# KiCad board keyboard - Hackpadv2.kicad_pcb
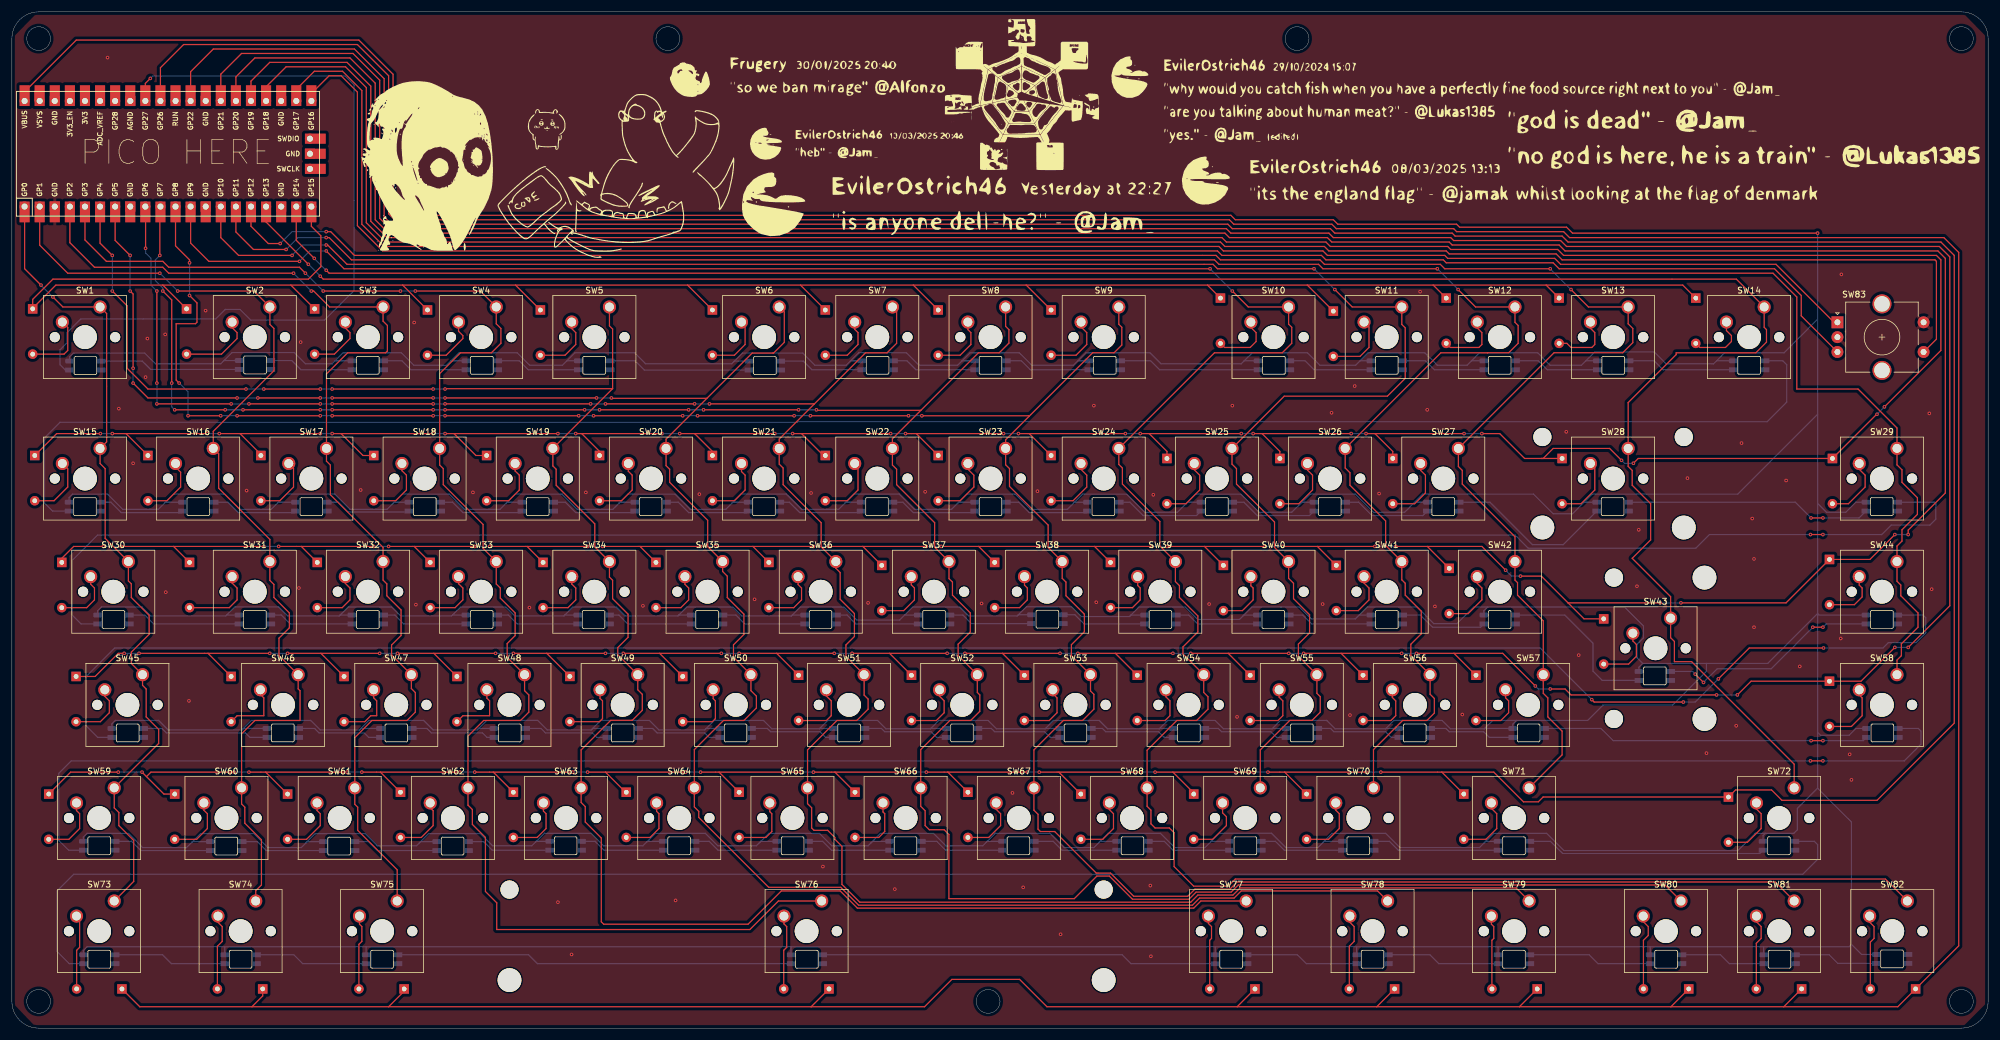
[diagram p0: board, top side]
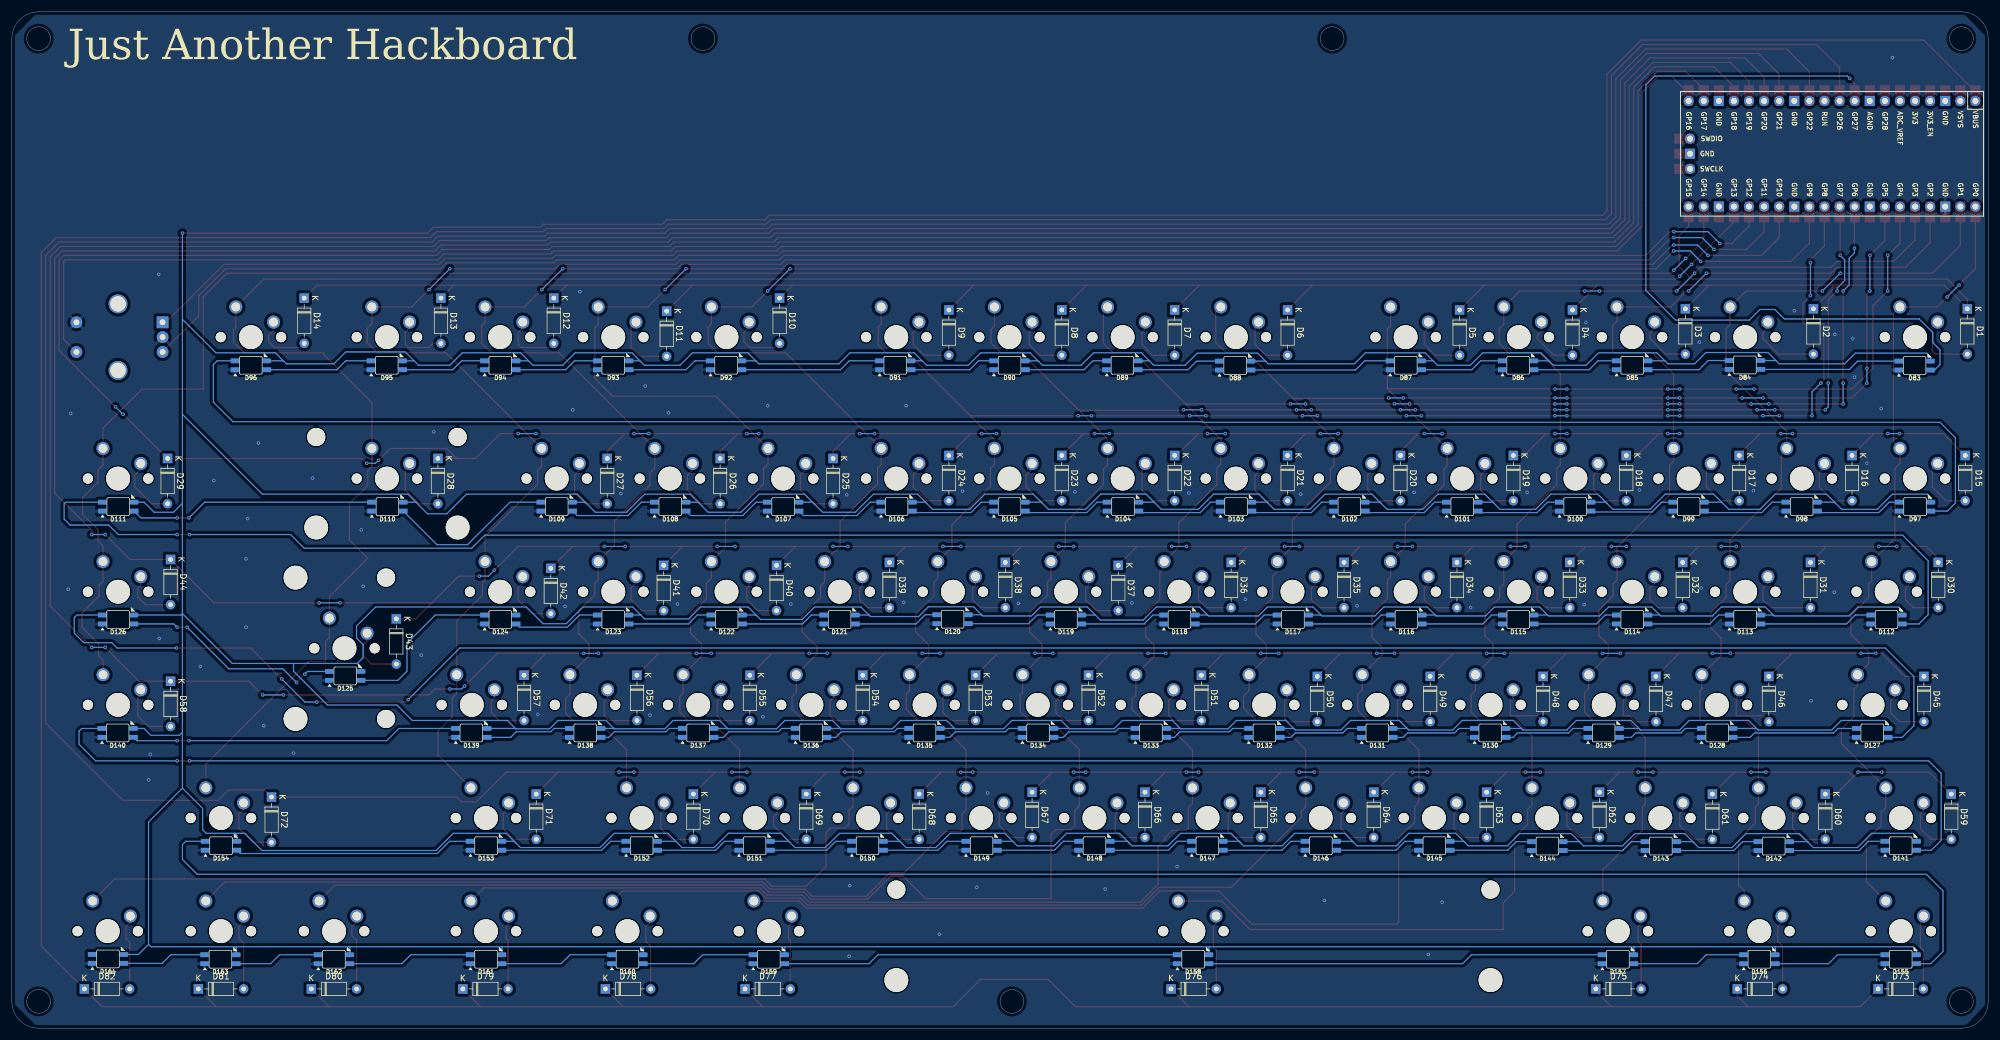
[diagram p1: board, bottom side, seen from below]

Outline 332.6 x 171.1 mm; copper layers: Top, Bottom. Coordinates in mm from the lower left corner of the outline.
Outline path: circle c4.5,166.6 r2 ; circle c4.5,4.5 r2 ; circle c110.4,166.6 r2 ; circle c164.3,4.5 r2 ; circle c216.3,166.6 r2 ; circle c328.1,166.6 r2 ; circle c328.1,4.5 r2 ; 0,166.6 0,4.5 arc(1.32,1.32) 4.5,0 328.02,0 arc(331.25,1.29) 332.6,4.5 332.6,166.6 arc(331.28,169.78) 328.1,171.1 4.5,171.1 arc(1.32,169.78) 0,166.6

## Placement (name value [footprint] x y rotation side)
D1  1N4148  [D_DO-35_SOD27_P7.62mm_Horizontal]  3.5 121.1 270 bottom
D2  1N4148  [D_DO-35_SOD27_P7.62mm_Horizontal]  29.4 121.1 270 bottom
D3  1N4148  [D_DO-35_SOD27_P7.62mm_Horizontal]  50.95 121.1 270 bottom
D4  1N4148  [D_DO-35_SOD27_P7.62mm_Horizontal]  69.95 120.91 270 bottom
D5  1N4148  [D_DO-35_SOD27_P7.62mm_Horizontal]  88.95 120.91 270 bottom
D6  1N4148  [D_DO-35_SOD27_P7.62mm_Horizontal]  117.9 120.91 270 bottom
D7  1N4148  [D_DO-35_SOD27_P7.62mm_Horizontal]  136.9 120.91 270 bottom
D8  1N4148  [D_DO-35_SOD27_P7.62mm_Horizontal]  155.9 120.91 270 bottom
D9  1N4148  [D_DO-35_SOD27_P7.62mm_Horizontal]  174.9 120.91 270 bottom
D10  1N4148  [D_DO-35_SOD27_P7.62mm_Horizontal]  203.4 122.91 270 bottom
D11  1N4148  [D_DO-35_SOD27_P7.62mm_Horizontal]  222.4 120.72 270 bottom
D12  1N4148  [D_DO-35_SOD27_P7.62mm_Horizontal]  241.4 122.91 270 bottom
D13  1N4148  [D_DO-35_SOD27_P7.62mm_Horizontal]  260.4 122.91 270 bottom
D14  1N4148  [D_DO-35_SOD27_P7.62mm_Horizontal]  283.4 122.91 270 bottom
D15  1N4148  [D_DO-35_SOD27_P7.62mm_Horizontal]  3.85 96.41 270 bottom
D16  1N4148  [D_DO-35_SOD27_P7.62mm_Horizontal]  22.9 96.41 270 bottom
D17  1N4148  [D_DO-35_SOD27_P7.62mm_Horizontal]  41.9 96.41 270 bottom
D18  1N4148  [D_DO-35_SOD27_P7.62mm_Horizontal]  60.9 96.41 270 bottom
D19  1N4148  [D_DO-35_SOD27_P7.62mm_Horizontal]  79.9 96.41 270 bottom
D20  1N4148  [D_DO-35_SOD27_P7.62mm_Horizontal]  98.9 96.41 270 bottom
D21  1N4148  [D_DO-35_SOD27_P7.62mm_Horizontal]  117.9 96.41 270 bottom
D22  1N4148  [D_DO-35_SOD27_P7.62mm_Horizontal]  136.9 96.41 270 bottom
D23  1N4148  [D_DO-35_SOD27_P7.62mm_Horizontal]  155.9 96.41 270 bottom
D24  1N4148  [D_DO-35_SOD27_P7.62mm_Horizontal]  174.9 96.41 270 bottom
D25  1N4148  [D_DO-35_SOD27_P7.62mm_Horizontal]  194.4 95.91 270 bottom
D26  1N4148  [D_DO-35_SOD27_P7.62mm_Horizontal]  213.4 95.91 270 bottom
D27  1N4148  [D_DO-35_SOD27_P7.62mm_Horizontal]  232.4 95.91 270 bottom
D28  1N4148  [D_DO-35_SOD27_P7.62mm_Horizontal]  260.9 95.91 270 bottom
D29  1N4148  [D_DO-35_SOD27_P7.62mm_Horizontal]  306.4 95.91 270 bottom
D30  1N4148  [D_DO-35_SOD27_P7.62mm_Horizontal]  8.4 78.41 270 bottom
D31  1N4148  [D_DO-35_SOD27_P7.62mm_Horizontal]  29.9 78.41 270 bottom
D32  1N4148  [D_DO-35_SOD27_P7.62mm_Horizontal]  51.4 78.41 270 bottom
D33  1N4148  [D_DO-35_SOD27_P7.62mm_Horizontal]  70.4 78.41 270 bottom
D34  1N4148  [D_DO-35_SOD27_P7.62mm_Horizontal]  89.4 78.41 270 bottom
D35  1N4148  [D_DO-35_SOD27_P7.62mm_Horizontal]  108.4 78.41 270 bottom
D36  1N4148  [D_DO-35_SOD27_P7.62mm_Horizontal]  127.4 78.41 270 bottom
D37  1N4148  [D_DO-35_SOD27_P7.62mm_Horizontal]  146.4 77.91 270 bottom
D38  1N4148  [D_DO-35_SOD27_P7.62mm_Horizontal]  165.4 78.41 270 bottom
D39  1N4148  [D_DO-35_SOD27_P7.62mm_Horizontal]  184.9 78.41 270 bottom
D40  1N4148  [D_DO-35_SOD27_P7.62mm_Horizontal]  203.9 77.91 270 bottom
D41  1N4148  [D_DO-35_SOD27_P7.62mm_Horizontal]  222.9 77.91 270 bottom
D42  1N4148  [D_DO-35_SOD27_P7.62mm_Horizontal]  241.9 77.41 270 bottom
D43  1N4148  [D_DO-35_SOD27_P7.62mm_Horizontal]  267.9 68.91 270 bottom
D44  1N4148  [D_DO-35_SOD27_P7.62mm_Horizontal]  305.9 78.91 270 bottom
D45  1N4148  [D_DO-35_SOD27_P7.62mm_Horizontal]  10.8 59.21 270 bottom
D46  1N4148  [D_DO-35_SOD27_P7.62mm_Horizontal]  36.9 59.21 270 bottom
D47  1N4148  [D_DO-35_SOD27_P7.62mm_Horizontal]  55.9 59.21 270 bottom
D48  1N4148  [D_DO-35_SOD27_P7.62mm_Horizontal]  74.9 59.21 270 bottom
D49  1N4148  [D_DO-35_SOD27_P7.62mm_Horizontal]  93.9 59.22 270 bottom
D50  1N4148  [D_DO-35_SOD27_P7.62mm_Horizontal]  112.9 59.21 270 bottom
D51  1N4148  [D_DO-35_SOD27_P7.62mm_Horizontal]  132.4 59.41 270 bottom
D52  1N4148  [D_DO-35_SOD27_P7.62mm_Horizontal]  151.4 59.41 270 bottom
D53  1N4148  [D_DO-35_SOD27_P7.62mm_Horizontal]  170.4 59.41 270 bottom
D54  1N4148  [D_DO-35_SOD27_P7.62mm_Horizontal]  189.4 59.41 270 bottom
D55  1N4148  [D_DO-35_SOD27_P7.62mm_Horizontal]  208.4 59.41 270 bottom
D56  1N4148  [D_DO-35_SOD27_P7.62mm_Horizontal]  227.4 59.41 270 bottom
D57  1N4148  [D_DO-35_SOD27_P7.62mm_Horizontal]  246.4 59.41 270 bottom
D58  1N4148  [D_DO-35_SOD27_P7.62mm_Horizontal]  305.9 58.41 270 bottom
D59  1N4148  [D_DO-35_SOD27_P7.62mm_Horizontal]  6.2 39.41 270 bottom
D60  1N4148  [D_DO-35_SOD27_P7.62mm_Horizontal]  27.4 39.41 270 bottom
D61  1N4148  [D_DO-35_SOD27_P7.62mm_Horizontal]  46.4 39.41 270 bottom
D62  1N4148  [D_DO-35_SOD27_P7.62mm_Horizontal]  65.4 39.72 270 bottom
D63  1N4148  [D_DO-35_SOD27_P7.62mm_Horizontal]  84.4 39.72 270 bottom
D64  1N4148  [D_DO-35_SOD27_P7.62mm_Horizontal]  103.4 39.72 270 bottom
D65  1N4148  [D_DO-35_SOD27_P7.62mm_Horizontal]  122.4 39.72 270 bottom
D66  1N4148  [D_DO-35_SOD27_P7.62mm_Horizontal]  141.9 39.72 270 bottom
D67  1N4148  [D_DO-35_SOD27_P7.62mm_Horizontal]  160.9 39.72 270 bottom
D68  1N4148  [D_DO-35_SOD27_P7.62mm_Horizontal]  179.9 39.41 270 bottom
D69  1N4148  [D_DO-35_SOD27_P7.62mm_Horizontal]  198.9 39.41 270 bottom
D70  1N4148  [D_DO-35_SOD27_P7.62mm_Horizontal]  217.9 39.41 270 bottom
D71  1N4148  [D_DO-35_SOD27_P7.62mm_Horizontal]  244.35 39.41 270 bottom
D72  1N4148  [D_DO-35_SOD27_P7.62mm_Horizontal]  288.9 38.91 270 bottom
D73  1N4148  [D_DO-35_SOD27_P7.62mm_Horizontal]  18.52 6.6 180 bottom
D74  1N4148  [D_DO-35_SOD27_P7.62mm_Horizontal]  42.21 6.6 180 bottom
D75  1N4148  [D_DO-35_SOD27_P7.62mm_Horizontal]  66.02 6.6 180 bottom
D76  1N4148  [D_DO-35_SOD27_P7.62mm_Horizontal]  137.52 6.6 180 bottom
D77  1N4148  [D_DO-35_SOD27_P7.62mm_Horizontal]  209.21 6.6 180 bottom
D78  1N4148  [D_DO-35_SOD27_P7.62mm_Horizontal]  232.71 6.6 180 bottom
D79  1N4148  [D_DO-35_SOD27_P7.62mm_Horizontal]  256.71 6.6 180 bottom
D80  1N4148  [D_DO-35_SOD27_P7.62mm_Horizontal]  282.21 6.6 180 bottom
D81  1N4148  [D_DO-35_SOD27_P7.62mm_Horizontal]  301.21 6.6 180 bottom
D82  1N4148  [D_DO-35_SOD27_P7.62mm_Horizontal]  320.4 6.6 180 bottom
D83  LED_SK6812MINI  [SK6812-MINI-E]  12.38 111.55 180 bottom
D84  LED_SK6812MINI  [SK6812-MINI-E]  40.93 111.65 180 bottom
D85  LED_SK6812MINI  [SK6812-MINI-E]  59.9 111.6 180 bottom
D86  LED_SK6812MINI  [SK6812-MINI-E]  79.1 111.6 180 bottom
D87  LED_SK6812MINI  [SK6812-MINI-E]  98 111.6 180 bottom
D88  LED_SK6812MINI  [SK6812-MINI-E]  126.73 111.55 180 bottom
D89  LED_SK6812MINI  [SK6812-MINI-E]  145.7 111.6 180 bottom
D90  LED_SK6812MINI  [SK6812-MINI-E]  164.7 111.6 180 bottom
D91  LED_SK6812MINI  [SK6812-MINI-E]  183.93 111.6 180 bottom
D92  LED_SK6812MINI  [SK6812-MINI-E]  212.4 111.6 180 bottom
D93  LED_SK6812MINI  [SK6812-MINI-E]  231.4 111.6 180 bottom
D94  LED_SK6812MINI  [SK6812-MINI-E]  250.4 111.6 180 bottom
D95  LED_SK6812MINI  [SK6812-MINI-E]  269.5 111.6 180 bottom
D96  LED_SK6812MINI  [SK6812-MINI-E]  292.38 111.6 180 bottom
D97  LED_SK6812MINI  [SK6812-MINI-E]  12.3 87.8 180 bottom
D98  LED_SK6812MINI  [SK6812-MINI-E]  31.38 87.8 180 bottom
D99  LED_SK6812MINI  [SK6812-MINI-E]  50.4 87.8 180 bottom
D100  LED_SK6812MINI  [SK6812-MINI-E]  69.5 87.8 180 bottom
D101  LED_SK6812MINI  [SK6812-MINI-E]  88.5 87.8 180 bottom
D102  LED_SK6812MINI  [SK6812-MINI-E]  107.5 87.8 180 bottom
D103  LED_SK6812MINI  [SK6812-MINI-E]  126.58 87.8 180 bottom
D104  LED_SK6812MINI  [SK6812-MINI-E]  145.6 87.8 180 bottom
D105  LED_SK6812MINI  [SK6812-MINI-E]  164.7 87.8 180 bottom
D106  LED_SK6812MINI  [SK6812-MINI-E]  183.7 87.8 180 bottom
D107  LED_SK6812MINI  [SK6812-MINI-E]  202.8 87.8 180 bottom
D108  LED_SK6812MINI  [SK6812-MINI-E]  221.8 87.8 180 bottom
D109  LED_SK6812MINI  [SK6812-MINI-E]  240.9 87.8 180 bottom
D110  LED_SK6812MINI  [SK6812-MINI-E]  269.4 87.8 180 bottom
D111  LED_SK6812MINI  [SK6812-MINI-E]  314.7 87.8 180 bottom
D112  LED_SK6812MINI  [SK6812-MINI-E]  17.1 68.8 180 bottom
D113  LED_SK6812MINI  [SK6812-MINI-E]  40.9 68.8 180 bottom
D114  LED_SK6812MINI  [SK6812-MINI-E]  59.9 68.8 180 bottom
D115  LED_SK6812MINI  [SK6812-MINI-E]  79.08 68.8 180 bottom
D116  LED_SK6812MINI  [SK6812-MINI-E]  97.9 68.8 180 bottom
D117  LED_SK6812MINI  [SK6812-MINI-E]  117 68.8 180 bottom
D118  LED_SK6812MINI  [SK6812-MINI-E]  136.1 68.8 180 bottom
D119  LED_SK6812MINI  [SK6812-MINI-E]  155.2 68.8 180 bottom
D120  LED_SK6812MINI  [SK6812-MINI-E]  174.28 68.85 180 bottom
D121  LED_SK6812MINI  [SK6812-MINI-E]  193.3 68.8 180 bottom
D122  LED_SK6812MINI  [SK6812-MINI-E]  212.3 68.8 180 bottom
D123  LED_SK6812MINI  [SK6812-MINI-E]  231.4 68.8 180 bottom
D124  LED_SK6812MINI  [SK6812-MINI-E]  250.4 68.8 180 bottom
D125  LED_SK6812MINI  [SK6812-MINI-E]  276.5 59.3 180 bottom
D126  LED_SK6812MINI  [SK6812-MINI-E]  314.72 68.8 180 bottom
D127  LED_SK6812MINI  [SK6812-MINI-E]  19.5 49.7 180 bottom
D128  LED_SK6812MINI  [SK6812-MINI-E]  45.6 49.7 180 bottom
D129  LED_SK6812MINI  [SK6812-MINI-E]  64.7 49.7 180 bottom
D130  LED_SK6812MINI  [SK6812-MINI-E]  83.8 49.7 180 bottom
D131  LED_SK6812MINI  [SK6812-MINI-E]  102.8 49.7 180 bottom
D132  LED_SK6812MINI  [SK6812-MINI-E]  121.8 49.7 180 bottom
D133  LED_SK6812MINI  [SK6812-MINI-E]  140.9 49.7 180 bottom
D134  LED_SK6812MINI  [SK6812-MINI-E]  159.9 49.7 180 bottom
D135  LED_SK6812MINI  [SK6812-MINI-E]  179 49.7 180 bottom
D136  LED_SK6812MINI  [SK6812-MINI-E]  198.1 49.7 180 bottom
D137  LED_SK6812MINI  [SK6812-MINI-E]  217.1 49.7 180 bottom
D138  LED_SK6812MINI  [SK6812-MINI-E]  236.1 49.7 180 bottom
D139  LED_SK6812MINI  [SK6812-MINI-E]  255.28 49.7 180 bottom
D140  LED_SK6812MINI  [SK6812-MINI-E]  314.8 49.7 180 bottom
D141  LED_SK6812MINI  [SK6812-MINI-E]  14.7 30.7 180 bottom
D142  LED_SK6812MINI  [SK6812-MINI-E]  36.08 30.65 180 bottom
D143  LED_SK6812MINI  [SK6812-MINI-E]  55.08 30.65 180 bottom
D144  LED_SK6812MINI  [SK6812-MINI-E]  74.18 30.65 180 bottom
D145  LED_SK6812MINI  [SK6812-MINI-E]  93.2 30.7 180 bottom
D146  LED_SK6812MINI  [SK6812-MINI-E]  112.3 30.7 180 bottom
D147  LED_SK6812MINI  [SK6812-MINI-E]  131.4 30.7 180 bottom
D148  LED_SK6812MINI  [SK6812-MINI-E]  150.4 30.7 180 bottom
D149  LED_SK6812MINI  [SK6812-MINI-E]  169.4 30.7 180 bottom
D150  LED_SK6812MINI  [SK6812-MINI-E]  188.6 30.7 180 bottom
D151  LED_SK6812MINI  [SK6812-MINI-E]  207.6 30.7 180 bottom
D152  LED_SK6812MINI  [SK6812-MINI-E]  226.6 30.7 180 bottom
D153  LED_SK6812MINI  [SK6812-MINI-E]  252.8 30.7 180 bottom
D154  LED_SK6812MINI  [SK6812-MINI-E]  297.4 30.7 180 bottom
D155  LED_SK6812MINI  [SK6812-MINI-E]  14.7 11.6 180 bottom
D156  LED_SK6812MINI  [SK6812-MINI-E]  38.5 11.6 180 bottom
D157  LED_SK6812MINI  [SK6812-MINI-E]  62.3 11.6 180 bottom
D158  LED_SK6812MINI  [SK6812-MINI-E]  133.8 11.6 180 bottom
D159  LED_SK6812MINI  [SK6812-MINI-E]  205.2 11.6 180 bottom
D160  LED_SK6812MINI  [SK6812-MINI-E]  229 11.6 180 bottom
D161  LED_SK6812MINI  [SK6812-MINI-E]  252.8 11.6 180 bottom
D162  LED_SK6812MINI  [SK6812-MINI-E]  278.4 11.6 180 bottom
D163  LED_SK6812MINI  [SK6812-MINI-E]  297.5 11.6 180 bottom
D164  LED_SK6812MINI  [SK6812-MINI-E]  316.43 11.65 180 bottom
G***  -  [LOGO]  246.63 156.39 0 top
G***#2  -  [LOGO]  101.4 143.3 0 top
G***#3  -  [LOGO]  163.26 138.96 0 top
G***#4  -  [LOGO]  143.8 148.9 0 top
G***#5  -  [LOGO]  171.11 156.63 0 top
G***#6  -  [LOGO]  134.83 161.08 0 top
G***#7  -  [LOGO]  251.32 142.49 0 top
G***#8  -  [LOGO]  90 152.27 0 top
G***#9  -  [LOGO]  294.3 149.8 0 top
G***#10  -  [LOGO]  68.1 145.7 0 top
SW1  SW_Push  [SW_Cherry_MX_1.00u_PCBw3D]  14.85 121.42 0 top
SW2  SW_Push  [SW_Cherry_MX_1.00u_PCBw3D]  43.42 121.42 0 top
SW3  SW_Push  [SW_Cherry_MX_1.00u_PCBw3D]  62.47 121.42 0 top
SW4  SW_Push  [SW_Cherry_MX_1.00u_PCBw3D]  81.52 121.42 0 top
SW5  SW_Push  [SW_Cherry_MX_1.00u_PCBw3D]  100.57 121.42 0 top
SW6  SW_Push  [SW_Cherry_MX_1.00u_PCBw3D]  129.15 121.42 0 top
SW7  SW_Push  [SW_Cherry_MX_1.00u_PCBw3D]  148.2 121.42 0 top
SW8  SW_Push  [SW_Cherry_MX_1.00u_PCBw3D]  167.25 121.42 0 top
SW9  SW_Push  [SW_Cherry_MX_1.00u_PCBw3D]  186.3 121.42 0 top
SW10  SW_Push  [SW_Cherry_MX_1.00u_PCBw3D]  214.87 121.42 0 top
SW11  SW_Push  [SW_Cherry_MX_1.00u_PCBw3D]  233.92 121.42 0 top
SW12  SW_Push  [SW_Cherry_MX_1.00u_PCBw3D]  252.97 121.42 0 top
SW13  SW_Push  [SW_Cherry_MX_1.00u_PCBw3D]  272.02 121.42 0 top
SW14  SW_Push  [SW_Cherry_MX_1.00u_PCBw3D]  294.91 121.42 0 top
SW15  SW_Push  [SW_Cherry_MX_1.00u_PCBw3D]  14.85 97.6 0 top
SW16  SW_Push  [SW_Cherry_MX_1.00u_PCBw3D]  33.9 97.6 0 top
SW17  SW_Push  [SW_Cherry_MX_1.00u_PCBw3D]  52.95 97.6 0 top
SW18  SW_Push  [SW_Cherry_MX_1.00u_PCBw3D]  72 97.6 0 top
SW19  SW_Push  [SW_Cherry_MX_1.00u_PCBw3D]  91.05 97.6 0 top
SW20  SW_Push  [SW_Cherry_MX_1.00u_PCBw3D]  110.1 97.6 0 top
SW21  SW_Push  [SW_Cherry_MX_1.00u_PCBw3D]  129.15 97.6 0 top
SW22  SW_Push  [SW_Cherry_MX_1.00u_PCBw3D]  148.2 97.6 0 top
SW23  SW_Push  [SW_Cherry_MX_1.00u_PCBw3D]  167.25 97.6 0 top
SW24  SW_Push  [SW_Cherry_MX_1.00u_PCBw3D]  186.3 97.6 0 top
SW25  SW_Push  [SW_Cherry_MX_1.00u_PCBw3D]  205.35 97.6 0 top
SW26  SW_Push  [SW_Cherry_MX_1.00u_PCBw3D]  224.4 97.6 0 top
SW27  SW_Push  [SW_Cherry_MX_1.00u_PCBw3D]  243.45 97.6 0 top
SW28  SW_Push  [SW_Cherry_MX_2.00u_PCB]  272.02 97.6 0 top
SW29  SW_Push  [SW_Cherry_MX_1.00u_PCBw3D]  317.26 97.6 0 top
SW30  SW_Push  [SW_Cherry_MX_1.50u_PCB]  19.61 78.55 0 top
SW31  SW_Push  [SW_Cherry_MX_1.00u_PCBw3D]  43.42 78.55 0 top
SW32  SW_Push  [SW_Cherry_MX_1.00u_PCBw3D]  62.47 78.55 0 top
SW33  SW_Push  [SW_Cherry_MX_1.00u_PCBw3D]  81.52 78.55 0 top
SW34  SW_Push  [SW_Cherry_MX_1.00u_PCBw3D]  100.57 78.55 0 top
SW35  SW_Push  [SW_Cherry_MX_1.00u_PCBw3D]  119.62 78.55 0 top
SW36  SW_Push  [SW_Cherry_MX_1.00u_PCBw3D]  138.67 78.55 0 top
SW37  SW_Push  [SW_Cherry_MX_1.00u_PCBw3D]  157.72 78.55 0 top
SW38  SW_Push  [SW_Cherry_MX_1.00u_PCBw3D]  176.77 78.55 0 top
SW39  SW_Push  [SW_Cherry_MX_1.00u_PCBw3D]  195.82 78.55 0 top
SW40  SW_Push  [SW_Cherry_MX_1.00u_PCBw3D]  214.87 78.55 0 top
SW41  SW_Push  [SW_Cherry_MX_1.00u_PCBw3D]  233.92 78.55 0 top
SW42  SW_Push  [SW_Cherry_MX_1.00u_PCBw3D]  252.97 78.55 0 top
SW43  SW_Push  [SW_Cherry_MX_ISOEnter_PCB]  279.16 69.03 0 top
SW44  SW_Push  [SW_Cherry_MX_1.00u_PCBw3D]  317.26 78.55 0 top
SW45  SW_Push  [SW_Cherry_MX_1.75u_PCB]  21.99 59.5 0 top
SW46  SW_Push  [SW_Cherry_MX_1.00u_PCBw3D]  48.18 59.5 0 top
SW47  SW_Push  [SW_Cherry_MX_1.00u_PCBw3D]  67.23 59.5 0 top
SW48  SW_Push  [SW_Cherry_MX_1.00u_PCBw3D]  86.28 59.5 0 top
SW49  SW_Push  [SW_Cherry_MX_1.00u_PCBw3D]  105.33 59.5 0 top
SW50  SW_Push  [SW_Cherry_MX_1.00u_PCBw3D]  124.38 59.5 0 top
SW51  SW_Push  [SW_Cherry_MX_1.00u_PCBw3D]  143.43 59.5 0 top
SW52  SW_Push  [SW_Cherry_MX_1.00u_PCBw3D]  162.48 59.5 0 top
SW53  SW_Push  [SW_Cherry_MX_1.00u_PCBw3D]  181.53 59.5 0 top
SW54  SW_Push  [SW_Cherry_MX_1.00u_PCBw3D]  200.58 59.5 0 top
SW55  SW_Push  [SW_Cherry_MX_1.00u_PCBw3D]  219.63 59.5 0 top
SW56  SW_Push  [SW_Cherry_MX_1.00u_PCBw3D]  238.68 59.5 0 top
SW57  SW_Push  [SW_Cherry_MX_1.00u_PCBw3D]  257.73 59.5 0 top
SW58  SW_Push  [SW_Cherry_MX_1.00u_PCBw3D]  317.26 59.5 0 top
SW59  SW_Push  [SW_Cherry_MX_1.00u_PCBw3D]  17.23 40.45 0 top
SW60  SW_Push  [SW_Cherry_MX_1.00u_PCBw3D]  38.66 40.45 0 top
SW61  SW_Push  [SW_Cherry_MX_1.00u_PCBw3D]  57.71 40.45 0 top
SW62  SW_Push  [SW_Cherry_MX_1.00u_PCBw3D]  76.76 40.45 0 top
SW63  SW_Push  [SW_Cherry_MX_1.00u_PCBw3D]  95.81 40.45 0 top
SW64  SW_Push  [SW_Cherry_MX_1.00u_PCBw3D]  114.86 40.45 0 top
SW65  SW_Push  [SW_Cherry_MX_1.00u_PCBw3D]  133.91 40.45 0 top
SW66  SW_Push  [SW_Cherry_MX_1.00u_PCBw3D]  152.96 40.45 0 top
SW67  SW_Push  [SW_Cherry_MX_1.00u_PCBw3D]  172.01 40.45 0 top
SW68  SW_Push  [SW_Cherry_MX_1.00u_PCBw3D]  191.06 40.45 0 top
SW69  SW_Push  [SW_Cherry_MX_1.00u_PCBw3D]  210.11 40.45 0 top
SW70  SW_Push  [SW_Cherry_MX_1.00u_PCBw3D]  229.16 40.45 0 top
SW71  SW_Push  [SW_Cherry_MX_1.00u_PCBw3D]  255.35 40.45 0 top
SW72  SW_Push  [SW_Cherry_MX_1.00u_PCBw3D]  299.96 40.45 0 top
SW73  SW_Push  [SW_Cherry_MX_1.00u_PCBw3D]  17.23 21.41 0 top
SW74  SW_Push  [SW_Cherry_MX_1.00u_PCBw3D]  41.04 21.41 0 top
SW75  SW_Push  [SW_Cherry_MX_1.00u_PCBw3D]  64.85 21.41 0 top
SW76  SW_Push  [SW_Cherry_MX_6.25u_PCB]  136.29 21.41 0 top
SW77  SW_Push  [SW_Cherry_MX_1.00u_PCBw3D]  207.73 21.41 0 top
SW78  SW_Push  [SW_Cherry_MX_1.00u_PCBw3D]  231.54 21.41 0 top
SW79  SW_Push  [SW_Cherry_MX_1.00u_PCBw3D]  255.35 21.41 0 top
SW80  SW_Push  [SW_Cherry_MX_1.00u_PCBw3D]  280.91 21.41 0 top
SW81  SW_Push  [SW_Cherry_MX_1.00u_PCBw3D]  299.96 21.41 0 top
SW82  SW_Push  [SW_Cherry_MX_1.00u_PCBw3D]  319.01 21.41 0 top
SW83  RotaryEncoder_Switch  [RotaryEncoder_Alps_EC11E-Switch_Vertical_H20mm_CircularMountingHoles]  307.24 118.84 0 top
U1  -  [Raspberry_Pi_Pico]  26.27 147.21 90 top

## Library data of the parts
D1-D82 = -: Datasheet: https://assets.nexperia.com/documents/data-sheet/1N4148_1N4448.pdf; Description: 100V 0.15A standard switching diode, DO-35; Sim.Device: D; Sim.Pins: 1=K 2=A; ki_fp_filters: D*DO?35*
D83-D164 = -: Datasheet: https://cdn-shop.adafruit.com/product-files/2686/SK6812MINI_REV.01-1-2.pdf; Description: RGB LED with integrated controller; LCSC: C5149201; ki_fp_filters: LED*SK6812MINI*PLCC*3.5x3.5mm*P1.75mm*
SW1-SW82 = -: Description: Push button switch, generic, two pins
SW83 = -: Description: Rotary encoder, dual channel, incremental quadrate outputs, with switch; ki_fp_filters: RotaryEncoder*Switch*

## Footprints (pads in the part's own frame, mm; a bottom-side part is the same pattern mirrored in y, then rotated)
D_DO-35_SOD27_P7.62mm_Horizontal
  rect 1.6x1.6 hole 0.8: 1(0,0)
  oval 1.6x1.6 hole 0.8: 2(7.62,0)
Raspberry_Pi_Pico
  oval 1.7x1.7 hole 1.02: 1(-8.89,24.13) 2(-8.89,21.59) 4(-8.89,16.51) 5(-8.89,13.97) 6(-8.89,11.43) 7(-8.89,8.89) 9(-8.89,3.81) 10(-8.89,1.27) 11(-8.89,-1.27) 12(-8.89,-3.81) 14(-8.89,-8.89) 15(-8.89,-11.43) 16(-8.89,-13.97) 17(-8.89,-16.51) 19(-8.89,-21.59) 20(-8.89,-24.13) 21(8.89,-24.13) 22(8.89,-21.59) 24(8.89,-16.51) 25(8.89,-13.97) 26(8.89,-11.43) 27(8.89,-8.89) 29(8.89,-3.81) 30(8.89,-1.27) 31(8.89,1.27) 32(8.89,3.81) 34(8.89,8.89) 35(8.89,11.43) 36(8.89,13.97) 37(8.89,16.51) 39(8.89,21.59) 40(8.89,24.13) 41(-2.54,-23.9) 43(2.54,-23.9)
  rect 3.5x1.7 smd: 1(-8.89,24.13) 2(-8.89,21.59) 3(-8.89,19.05) 4(-8.89,16.51) 5(-8.89,13.97) 6(-8.89,11.43) 7(-8.89,8.89) 8(-8.89,6.35) 9(-8.89,3.81) 10(-8.89,1.27) 11(-8.89,-1.27) 12(-8.89,-3.81) 13(-8.89,-6.35) 14(-8.89,-8.89) 15(-8.89,-11.43) 16(-8.89,-13.97) 17(-8.89,-16.51) 18(-8.89,-19.05) 19(-8.89,-21.59) 20(-8.89,-24.13) 21(8.89,-24.13) 22(8.89,-21.59) 23(8.89,-19.05) 24(8.89,-16.51) 25(8.89,-13.97) 26(8.89,-11.43) 27(8.89,-8.89) 28(8.89,-6.35) 29(8.89,-3.81) 30(8.89,-1.27) 31(8.89,1.27) 32(8.89,3.81) 33(8.89,6.35) 34(8.89,8.89) 35(8.89,11.43) 36(8.89,13.97) 37(8.89,16.51) 38(8.89,19.05) 39(8.89,21.59) 40(8.89,24.13)
  rect 1.7x1.7 hole 1.02: 3(-8.89,19.05) 8(-8.89,6.35) 13(-8.89,-6.35) 18(-8.89,-19.05) 23(8.89,-19.05) 28(8.89,-6.35) 33(8.89,6.35) 38(8.89,19.05) 42(0,-23.9)
  rect 1.7x3.5 smd: 41(-2.54,-23.9) 42(0,-23.9) 43(2.54,-23.9)
RotaryEncoder_Alps_EC11E-Switch_Vertical_H20mm_CircularMountingHoles
  rect 2x2 hole 1: A(0,0)
  round 2 hole 1: B(0,-5) C(0,-2.5) S1(14.5,-5) S2(14.5,0)
  round 3.2 hole 2.6: MP(7.5,3.1) MP(7.5,-8.1)
SK6812-MINI-E
  rect 1.45x0.82 smd: 1(-2.675,-0.75) 2(-2.675,0.75) 4(2.675,-0.75)
  rrect 1.45x0.82 smd: 3(2.675,0.75)
SW_Cherry_MX_1.00u_PCBw3D
  round 1.7 hole 1.7 unplated: (-7.62,-5.08) (2.54,-5.08)
  round 4 hole 4 unplated: (-2.54,-5.08)
  round 2.2 hole 1.5: 1(0,0) 2(-6.35,-2.54)
SW_Cherry_MX_1.50u_PCB
  round 1.7 hole 1.7 unplated: (-7.62,-5.08) (2.54,-5.08)
  round 4 hole 4 unplated: (-2.54,-5.08)
  round 2.2 hole 1.5: 1(0,0) 2(-6.35,-2.54)
SW_Cherry_MX_1.75u_PCB
  round 1.7 hole 1.7 unplated: (-7.62,-5.08) (2.54,-5.08)
  round 4 hole 4 unplated: (-2.54,-5.08)
  round 2.2 hole 1.5: 1(0,0) 2(-6.35,-2.54)
SW_Cherry_MX_2.00u_PCB
  round 3.05 hole 3.05 unplated: (-14.44,1.92) (9.36,1.92)
  round 4 hole 4 unplated: (-14.44,-13.32) (-2.54,-5.08) (9.36,-13.32)
  round 1.7 hole 1.7 unplated: (-7.62,-5.08) (2.54,-5.08)
  round 2.2 hole 1.5: 1(0,0) 2(-6.35,-2.54)
SW_Cherry_MX_6.25u_PCB
  round 3.05 hole 3.05 unplated: (-52.54,1.92) (47.46,1.92)
  round 4 hole 4 unplated: (-52.54,-13.32) (-2.54,-5.08) (47.46,-13.32)
  round 1.7 hole 1.7 unplated: (-7.62,-5.08) (2.54,-5.08)
  round 2.2 hole 1.5: 1(0,0) 2(-6.35,-2.54)
SW_Cherry_MX_ISOEnter_PCB
  round 3.05 hole 3.05 unplated: (-9.54,6.82) (-9.54,-16.98)
  round 1.7 hole 1.7 unplated: (-7.62,-5.08) (2.54,-5.08)
  round 4 hole 4 unplated: (-2.54,-5.08) (5.7,6.82) (5.7,-16.98)
  round 2.2 hole 1.5: 1(0,0) 2(-6.35,-2.54)
